# KiCad board testhologram v2.kicad_pcb (continued)
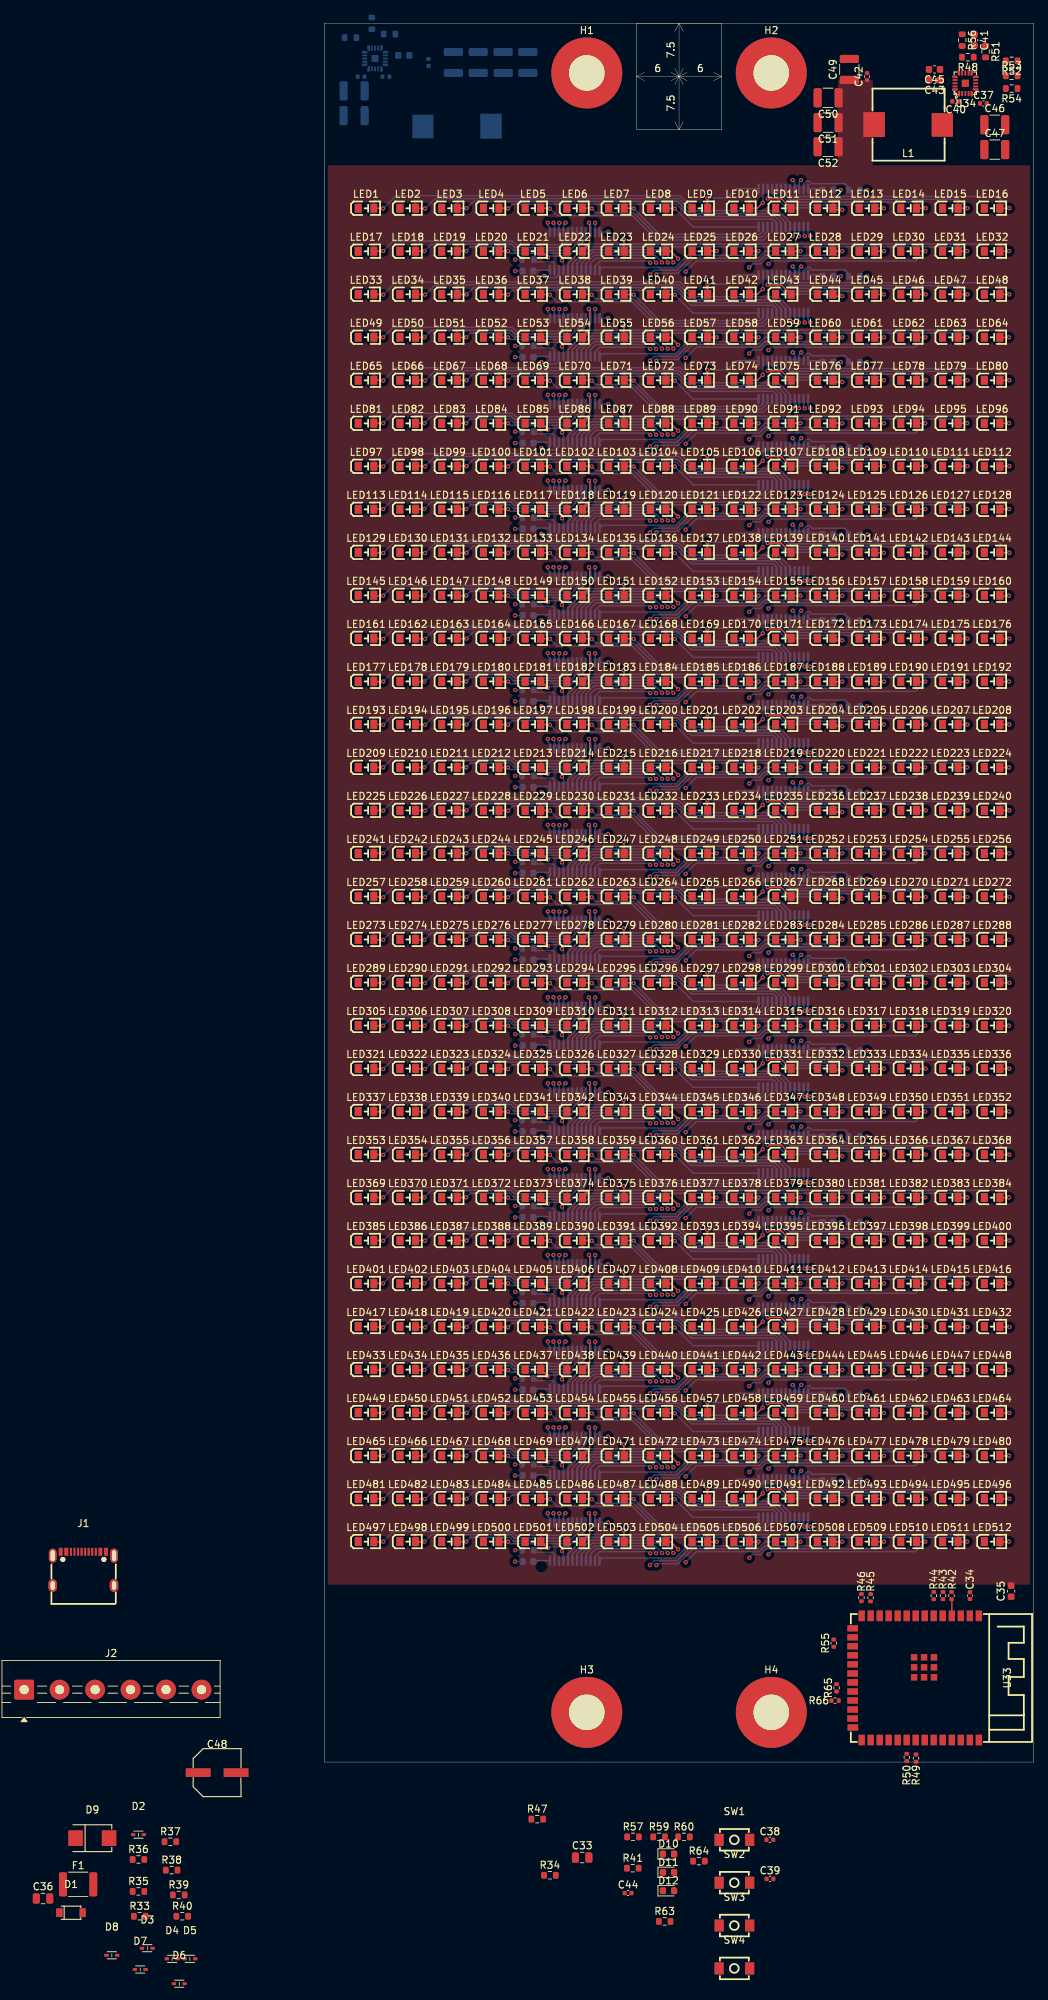
[diagram p0: board, top side]
## Nets (continued)
VDD: C1.1 C2.1 C3.1 C4.1 C5.1 C6.1 C7.1 C8.1 C9.1 C10.1 C11.1 C12.1 C13.1 C14.1 C15.1 C16.1 C17.1 C18.1 C19.1 C20.1 C21.1 C22.1 C23.1 C24.1 C25.1 C26.1 C27.1 C28.1 C29.1 C30.1 C31.1 C32.1
buck4v_EN: C33.2 C34.2 C35.2 C36.2 C37.2 C38.2 C39.2 C42.2 C43.2 C44.2 C45.2 C46.2 C47.2 C48.1 C49.2 C50.2 C51.2 C52.2 C53.2 C54.2 C55.2 C57.2 C60.2 C61.2 C62.2 C63.2 C64.2 D2.1 D3.1 D4.1 D5.1 D6.1 D7.1 D8.1 D9.1 D10.1 D11.1 D12.1 J2.2 R1.1 R2.1 R3.1 R4.1 R5.1 R6.1 R7.1 R8.1 R9.1 R10.1 R11.1 R12.1 R13.1 R14.1 R15.1 R16.1 R17.1 R18.1 R19.1 R20.1 R21.1 R22.1 R23.1 R24.1 R25.1 R26.1 R27.1 R28.1 R29.1 R30.1 R31.1 R32.1 R33.2 R35.2 R36.2 R40.1 R47.1 R51.2 R53.2 R55.2 R62.2 SW1.1 SW2.1 SW3.2 SW4.2 U1.1 U2.1 U3.1 U4.1 U5.1 U6.1 U7.1 U8.1 U9.1 U10.1 U11.1 U12.1 U13.1 U14.1 U15.1 U16.1 U17.1 U18.1 U19.1 U20.1 U21.1 U22.1 U23.1 U24.1 U25.1 U26.1 U27.1 U28.1 U29.1 U30.1 U31.1 U32.1 U33.1 U33.40 U33.41 U34.7 U34.8 U34.13 U34.18 U34.21 U36.7 U36.8 U36.12 U36.13 U36.18 U36.21
buck4v_PG: C44.1 R54.2 U33.18 U34.9
CLK: R49.1 U1.3 U2.3 U3.3 U4.3 U5.3 U6.3 U7.3 U8.3 U9.3 U10.3 U11.3 U12.3 U13.3 U14.3 U15.3 U16.3 U17.3 U18.3 U19.3 U20.3 U21.3 U22.3 U23.3 U24.3 U25.3 U26.3 U27.3 U28.3 U29.3 U30.3 U31.3 U32.3
ENC_A: D5.2 J2.6 R39.1 R42.2
ENC_B: D6.2 J2.5 R38.1 R43.2
ENC_Z: D7.2 J2.4 R37.1 R44.2
LE: R47.2 U1.4 U2.4 U3.4 U4.4 U5.4 U6.4 U7.4 U8.4 U9.4 U10.4 U11.4 U12.4 U13.4 U14.4 U15.4 U16.4 U17.4 U18.4 U19.4 U20.4 U21.4 U22.4 U23.4 U24.4 U25.4 U26.4 U27.4 U28.4 U29.4 U30.4 U31.4 U32.4 U33.34
MOSI: R50.1
NOT_OE: R41.2 U1.21 U2.21 U3.21 U4.21 U5.21 U6.21 U7.21 U8.21 U9.21 U10.21 U11.21 U12.21 U13.21 U14.21 U15.21 U16.21 U17.21 U18.21 U19.21 U20.21 U21.21 U22.21 U23.21 U24.21 U25.21 U26.21 U27.21 U28.21 U29.21 U30.21 U31.21 U32.21 U33.35
SDI: U1.2
SDO-01: U1.22 U2.2
SDO-02: U2.22 U3.2
SDO-03: U3.22 U4.2
SDO-04: U4.22 U5.2
SDO-05: U5.22 U6.2
SDO-06: U6.22 U7.2
SDO-07: U7.22 U8.2
SDO-08: U8.22 U9.2
SDO-09: U9.22 U10.2
SDO-10: U10.22 U11.2
SDO-11: U11.22 U12.2
SDO-12: U12.22 U13.2
SDO-13: U13.22 U14.2
SDO-14: U14.22 U15.2
SDO-15: U15.22 U16.2
SDO-16: U16.22 U17.2
SDO-17: U17.22 U18.2
SDO-18: U18.22 U19.2
SDO-19: U19.22 U20.2
SDO-20: U20.22 U21.2
SDO-21: U21.22 U22.2
SDO-22: U22.22 U23.2
SDO-23: U23.22 U24.2
SDO-24: U24.22 U25.2
SDO-25: U25.22 U26.2
SDO-26: U26.22 U27.2
SDO-27: U27.22 U28.2
SDO-28: U28.22 U29.2
SDO-29: U29.22 U30.2
SDO-30: U30.22 U31.2
SDO-31: U31.22 U32.2
SW_Boot: C39.1 SW2.2 U33.27
SW_Reset: C35.1 C38.1 R34.2 SW1.2 U33.3
USB_D+: D4.2 R46.2
USB_D-: D3.2 R45.2
Net-(C40-Pad2): C40.2 L1.1 U34.6 U34.19 U34.20
Net-(C41-Pad2): C41.2 R56.1
Net-(C56-Pad2): C56.2 L2.1 U36.6 U36.19 U36.20
Net-(D1-A): D1.2 D2.2
Net-(D8-A2): D8.2 J2.1 R40.2
Net-(D10-A): D10.2 R57.2
Net-(D11-A): D11.2 R59.2
Net-(D12-A): D12.2 R60.2
Net-(J1-CC1): R35.1
Net-(J1-CC2): R36.1
Net-(J1-SHIELD): R33.1
Net-(J2-Pin_3): F1.2 J2.3
Net-(LED1-K): LED1.1 U1.5
Net-(LED2-K): LED2.1 U1.6
Net-(LED3-K): LED3.1 U1.7
Net-(LED4-K): LED4.1 U1.8
Net-(LED5-K): LED5.1 U1.9
Net-(LED6-K): LED6.1 U1.10
Net-(LED7-K): LED7.1 U1.11
Net-(LED8-K): LED8.1 U1.12
Net-(LED9-K): LED9.1 U1.13
Net-(LED10-K): LED10.1 U1.14
Net-(LED11-K): LED11.1 U1.15
Net-(LED12-K): LED12.1 U1.16
Net-(LED13-K): LED13.1 U1.17
Net-(LED14-K): LED14.1 U1.18
Net-(LED15-K): LED15.1 U1.19
Net-(LED16-K): LED16.1 U1.20
Net-(LED17-K): LED17.1 U2.5
Net-(LED18-K): LED18.1 U2.6
Net-(LED19-K): LED19.1 U2.7
Net-(LED20-K): LED20.1 U2.8
Net-(LED21-K): LED21.1 U2.9
Net-(LED22-K): LED22.1 U2.10
Net-(LED23-K): LED23.1 U2.11
Net-(LED24-K): LED24.1 U2.12
Net-(LED25-K): LED25.1 U2.13
Net-(LED26-K): LED26.1 U2.14
Net-(LED27-K): LED27.1 U2.15
Net-(LED28-K): LED28.1 U2.16
Net-(LED29-K): LED29.1 U2.17
Net-(LED30-K): LED30.1 U2.18
Net-(LED31-K): LED31.1 U2.19
Net-(LED32-K): LED32.1 U2.20
Net-(LED33-K): LED33.1 U3.5
Net-(LED34-K): LED34.1 U3.6
Net-(LED35-K): LED35.1 U3.7
Net-(LED36-K): LED36.1 U3.8
Net-(LED37-K): LED37.1 U3.9
Net-(LED38-K): LED38.1 U3.10
Net-(LED39-K): LED39.1 U3.11
Net-(LED40-K): LED40.1 U3.12
Net-(LED41-K): LED41.1 U3.13
Net-(LED42-K): LED42.1 U3.14
Net-(LED43-K): LED43.1 U3.15
Net-(LED44-K): LED44.1 U3.16
Net-(LED45-K): LED45.1 U3.17
Net-(LED46-K): LED46.1 U3.18
Net-(LED47-K): LED47.1 U3.19
Net-(LED48-K): LED48.1 U3.20
Net-(LED49-K): LED49.1 U4.5
Net-(LED50-K): LED50.1 U4.6
Net-(LED51-K): LED51.1 U4.7
Net-(LED52-K): LED52.1 U4.8
Net-(LED53-K): LED53.1 U4.9
Net-(LED54-K): LED54.1 U4.10
Net-(LED55-K): LED55.1 U4.11
Net-(LED56-K): LED56.1 U4.12
Net-(LED57-K): LED57.1 U4.13
Net-(LED58-K): LED58.1 U4.14
Net-(LED59-K): LED59.1 U4.15
Net-(LED60-K): LED60.1 U4.16
Net-(LED61-K): LED61.1 U4.17
Net-(LED62-K): LED62.1 U4.18
Net-(LED63-K): LED63.1 U4.19
Net-(LED64-K): LED64.1 U4.20
Net-(LED65-K): LED65.1 U5.5
Net-(LED66-K): LED66.1 U5.6
Net-(LED67-K): LED67.1 U5.7
Net-(LED68-K): LED68.1 U5.8
Net-(LED69-K): LED69.1 U5.9
Net-(LED70-K): LED70.1 U5.10
Net-(LED71-K): LED71.1 U5.11
Net-(LED72-K): LED72.1 U5.12
Net-(LED73-K): LED73.1 U5.13
Net-(LED74-K): LED74.1 U5.14
Net-(LED75-K): LED75.1 U5.15
Net-(LED76-K): LED76.1 U5.16
Net-(LED77-K): LED77.1 U5.17
Net-(LED78-K): LED78.1 U5.18
Net-(LED79-K): LED79.1 U5.19
Net-(LED80-K): LED80.1 U5.20
Net-(LED81-K): LED81.1 U6.5
Net-(LED82-K): LED82.1 U6.6
Net-(LED83-K): LED83.1 U6.7
Net-(LED84-K): LED84.1 U6.8
Net-(LED85-K): LED85.1 U6.9
Net-(LED86-K): LED86.1 U6.10
Net-(LED87-K): LED87.1 U6.11
Net-(LED88-K): LED88.1 U6.12
Net-(LED89-K): LED89.1 U6.13
Net-(LED90-K): LED90.1 U6.14
Net-(LED91-K): LED91.1 U6.15
Net-(LED92-K): LED92.1 U6.16
Net-(LED93-K): LED93.1 U6.17
Net-(LED94-K): LED94.1 U6.18
Net-(LED95-K): LED95.1 U6.19
Net-(LED96-K): LED96.1 U6.20
Net-(LED97-K): LED97.1 U7.5
Net-(LED98-K): LED98.1 U7.6
Net-(LED99-K): LED99.1 U7.7
Net-(LED100-K): LED100.1 U7.8
Net-(LED101-K): LED101.1 U7.9
Net-(LED102-K): LED102.1 U7.10
Net-(LED103-K): LED103.1 U7.11
Net-(LED104-K): LED104.1 U7.12
Net-(LED105-K): LED105.1 U7.13
Net-(LED106-K): LED106.1 U7.14
Net-(LED107-K): LED107.1 U7.15
Net-(LED108-K): LED108.1 U7.16
Net-(LED109-K): LED109.1 U7.17
Net-(LED110-K): LED110.1 U7.18
Net-(LED111-K): LED111.1 U7.19
Net-(LED112-K): LED112.1 U7.20
Net-(LED113-K): LED113.1 U8.5
Net-(LED114-K): LED114.1 U8.6
Net-(LED115-K): LED115.1 U8.7
Net-(LED116-K): LED116.1 U8.8
Net-(LED117-K): LED117.1 U8.9
Net-(LED118-K): LED118.1 U8.10
Net-(LED119-K): LED119.1 U8.11
Net-(LED120-K): LED120.1 U8.12
Net-(LED121-K): LED121.1 U8.13
Net-(LED122-K): LED122.1 U8.14
Net-(LED123-K): LED123.1 U8.15
Net-(LED124-K): LED124.1 U8.16
Net-(LED125-K): LED125.1 U8.17
Net-(LED126-K): LED126.1 U8.18
Net-(LED127-K): LED127.1 U8.19
Net-(LED128-K): LED128.1 U8.20
Net-(LED129-K): LED129.1 U9.5
Net-(LED130-K): LED130.1 U9.6
Net-(LED131-K): LED131.1 U9.7
Net-(LED132-K): LED132.1 U9.8
Net-(LED133-K): LED133.1 U9.9
Net-(LED134-K): LED134.1 U9.10
Net-(LED135-K): LED135.1 U9.11
Net-(LED136-K): LED136.1 U9.12
Net-(LED137-K): LED137.1 U9.13
Net-(LED138-K): LED138.1 U9.14
Net-(LED139-K): LED139.1 U9.15
Net-(LED140-K): LED140.1 U9.16
Net-(LED141-K): LED141.1 U9.17
Net-(LED142-K): LED142.1 U9.18
Net-(LED143-K): LED143.1 U9.19
Net-(LED144-K): LED144.1 U9.20
Net-(LED145-K): LED145.1 U10.5
Net-(LED146-K): LED146.1 U10.6
Net-(LED147-K): LED147.1 U10.7
Net-(LED148-K): LED148.1 U10.8
Net-(LED149-K): LED149.1 U10.9
Net-(LED150-K): LED150.1 U10.10
Net-(LED151-K): LED151.1 U10.11
Net-(LED152-K): LED152.1 U10.12
Net-(LED153-K): LED153.1 U10.13
Net-(LED154-K): LED154.1 U10.14
Net-(LED155-K): LED155.1 U10.15
Net-(LED156-K): LED156.1 U10.16
Net-(LED157-K): LED157.1 U10.17
Net-(LED158-K): LED158.1 U10.18
Net-(LED159-K): LED159.1 U10.19
Net-(LED160-K): LED160.1 U10.20
Net-(LED161-K): LED161.1 U11.5
Net-(LED162-K): LED162.1 U11.6
Net-(LED163-K): LED163.1 U11.7
Net-(LED164-K): LED164.1 U11.8
Net-(LED165-K): LED165.1 U11.9
Net-(LED166-K): LED166.1 U11.10
Net-(LED167-K): LED167.1 U11.11
Net-(LED168-K): LED168.1 U11.12
Net-(LED169-K): LED169.1 U11.13
Net-(LED170-K): LED170.1 U11.14
Net-(LED171-K): LED171.1 U11.15
Net-(LED172-K): LED172.1 U11.16
Net-(LED173-K): LED173.1 U11.17
Net-(LED174-K): LED174.1 U11.18
Net-(LED175-K): LED175.1 U11.19
Net-(LED176-K): LED176.1 U11.20
Net-(LED177-K): LED177.1 U12.5
Net-(LED178-K): LED178.1 U12.6
Net-(LED179-K): LED179.1 U12.7
Net-(LED180-K): LED180.1 U12.8
Net-(LED181-K): LED181.1 U12.9
Net-(LED182-K): LED182.1 U12.10
Net-(LED183-K): LED183.1 U12.11
Net-(LED184-K): LED184.1 U12.12
Net-(LED185-K): LED185.1 U12.13
Net-(LED186-K): LED186.1 U12.14
Net-(LED187-K): LED187.1 U12.15
Net-(LED188-K): LED188.1 U12.16
Net-(LED189-K): LED189.1 U12.17
Net-(LED190-K): LED190.1 U12.18
Net-(LED191-K): LED191.1 U12.19
Net-(LED192-K): LED192.1 U12.20
Net-(LED193-K): LED193.1 U13.5
Net-(LED194-K): LED194.1 U13.6
Net-(LED195-K): LED195.1 U13.7
Net-(LED196-K): LED196.1 U13.8
Net-(LED197-K): LED197.1 U13.9
Net-(LED198-K): LED198.1 U13.10
Net-(LED199-K): LED199.1 U13.11
Net-(LED200-K): LED200.1 U13.12
Net-(LED201-K): LED201.1 U13.13
Net-(LED202-K): LED202.1 U13.14
Net-(LED203-K): LED203.1 U13.15
Net-(LED204-K): LED204.1 U13.16
Net-(LED205-K): LED205.1 U13.17
Net-(LED206-K): LED206.1 U13.18
Net-(LED207-K): LED207.1 U13.19
Net-(LED208-K): LED208.1 U13.20
Net-(LED209-K): LED209.1 U14.5
Net-(LED210-K): LED210.1 U14.6
Net-(LED211-K): LED211.1 U14.7
Net-(LED212-K): LED212.1 U14.8
Net-(LED213-K): LED213.1 U14.9
Net-(LED214-K): LED214.1 U14.10
Net-(LED215-K): LED215.1 U14.11
Net-(LED216-K): LED216.1 U14.12
Net-(LED217-K): LED217.1 U14.13
Net-(LED218-K): LED218.1 U14.14
Net-(LED219-K): LED219.1 U14.15
Net-(LED220-K): LED220.1 U14.16
Net-(LED221-K): LED221.1 U14.17
Net-(LED222-K): LED222.1 U14.18
Net-(LED223-K): LED223.1 U14.19
Net-(LED224-K): LED224.1 U14.20
Net-(LED225-K): LED225.1 U15.5
Net-(LED226-K): LED226.1 U15.6
Net-(LED227-K): LED227.1 U15.7
Net-(LED228-K): LED228.1 U15.8
Net-(LED229-K): LED229.1 U15.9
Net-(LED230-K): LED230.1 U15.10
Net-(LED231-K): LED231.1 U15.11
Net-(LED232-K): LED232.1 U15.12
Net-(LED233-K): LED233.1 U15.13
Net-(LED234-K): LED234.1 U15.14
Net-(LED235-K): LED235.1 U15.15
Net-(LED236-K): LED236.1 U15.16
Net-(LED237-K): LED237.1 U15.17
Net-(LED238-K): LED238.1 U15.18
Net-(LED239-K): LED239.1 U15.19
Net-(LED240-K): LED240.1 U15.20
Net-(LED241-K): LED241.1 U16.5
Net-(LED242-K): LED242.1 U16.6
Net-(LED243-K): LED243.1 U16.7
Net-(LED244-K): LED244.1 U16.8
Net-(LED245-K): LED245.1 U16.9
Net-(LED246-K): LED246.1 U16.10
Net-(LED247-K): LED247.1 U16.11
Net-(LED248-K): LED248.1 U16.12
Net-(LED249-K): LED249.1 U16.13
Net-(LED250-K): LED250.1 U16.14
Net-(LED251-K): LED251.1 U16.15
Net-(LED252-K): LED252.1 U16.16
Net-(LED253-K): LED253.1 U16.17
Net-(LED254-K): LED254.1 U16.18
Net-(LED255-K): LED255.1 U16.19
Net-(LED256-K): LED256.1 U16.20
Net-(LED257-K): LED257.1 U17.5
Net-(LED258-K): LED258.1 U17.6
Net-(LED259-K): LED259.1 U17.7
Net-(LED260-K): LED260.1 U17.8
Net-(LED261-K): LED261.1 U17.9
Net-(LED262-K): LED262.1 U17.10
Net-(LED263-K): LED263.1 U17.11
Net-(LED264-K): LED264.1 U17.12
Net-(LED265-K): LED265.1 U17.13
Net-(LED266-K): LED266.1 U17.14
Net-(LED267-K): LED267.1 U17.15
Net-(LED268-K): LED268.1 U17.16
Net-(LED269-K): LED269.1 U17.17
Net-(LED270-K): LED270.1 U17.18
Net-(LED271-K): LED271.1 U17.19
Net-(LED272-K): LED272.1 U17.20
Net-(LED273-K): LED273.1 U18.5
Net-(LED274-K): LED274.1 U18.6
Net-(LED275-K): LED275.1 U18.7
Net-(LED276-K): LED276.1 U18.8
Net-(LED277-K): LED277.1 U18.9
Net-(LED278-K): LED278.1 U18.10
Net-(LED279-K): LED279.1 U18.11
Net-(LED280-K): LED280.1 U18.12
Net-(LED281-K): LED281.1 U18.13
Net-(LED282-K): LED282.1 U18.14
Net-(LED283-K): LED283.1 U18.15
Net-(LED284-K): LED284.1 U18.16
Net-(LED285-K): LED285.1 U18.17
Net-(LED286-K): LED286.1 U18.18
Net-(LED287-K): LED287.1 U18.19
Net-(LED288-K): LED288.1 U18.20
Net-(LED289-K): LED289.1 U19.5
Net-(LED290-K): LED290.1 U19.6
Net-(LED291-K): LED291.1 U19.7
Net-(LED292-K): LED292.1 U19.8
Net-(LED293-K): LED293.1 U19.9
Net-(LED294-K): LED294.1 U19.10
Net-(LED295-K): LED295.1 U19.11
Net-(LED296-K): LED296.1 U19.12
Net-(LED297-K): LED297.1 U19.13
Net-(LED298-K): LED298.1 U19.14
Net-(LED299-K): LED299.1 U19.15
Net-(LED300-K): LED300.1 U19.16
Net-(LED301-K): LED301.1 U19.17
Net-(LED302-K): LED302.1 U19.18
Net-(LED303-K): LED303.1 U19.19
Net-(LED304-K): LED304.1 U19.20
Net-(LED305-K): LED305.1 U20.5
Net-(LED306-K): LED306.1 U20.6
Net-(LED307-K): LED307.1 U20.7
Net-(LED308-K): LED308.1 U20.8
Net-(LED309-K): LED309.1 U20.9
Net-(LED310-K): LED310.1 U20.10
Net-(LED311-K): LED311.1 U20.11
Net-(LED312-K): LED312.1 U20.12
Net-(LED313-K): LED313.1 U20.13
Net-(LED314-K): LED314.1 U20.14
Net-(LED315-K): LED315.1 U20.15
Net-(LED316-K): LED316.1 U20.16
Net-(LED317-K): LED317.1 U20.17
Net-(LED318-K): LED318.1 U20.18
Net-(LED319-K): LED319.1 U20.19
Net-(LED320-K): LED320.1 U20.20
Net-(LED321-K): LED321.1 U21.5
Net-(LED322-K): LED322.1 U21.6
Net-(LED323-K): LED323.1 U21.7
Net-(LED324-K): LED324.1 U21.8
Net-(LED325-K): LED325.1 U21.9
Net-(LED326-K): LED326.1 U21.10
Net-(LED327-K): LED327.1 U21.11
Net-(LED328-K): LED328.1 U21.12
Net-(LED329-K): LED329.1 U21.13
Net-(LED330-K): LED330.1 U21.14
Net-(LED331-K): LED331.1 U21.15
Net-(LED332-K): LED332.1 U21.16
Net-(LED333-K): LED333.1 U21.17
Net-(LED334-K): LED334.1 U21.18
Net-(LED335-K): LED335.1 U21.19
Net-(LED336-K): LED336.1 U21.20
Net-(LED337-K): LED337.1 U22.5
Net-(LED338-K): LED338.1 U22.6
Net-(LED339-K): LED339.1 U22.7
Net-(LED340-K): LED340.1 U22.8
Net-(LED341-K): LED341.1 U22.9
Net-(LED342-K): LED342.1 U22.10
Net-(LED343-K): LED343.1 U22.11
Net-(LED344-K): LED344.1 U22.12
Net-(LED345-K): LED345.1 U22.13
Net-(LED346-K): LED346.1 U22.14
Net-(LED347-K): LED347.1 U22.15
Net-(LED348-K): LED348.1 U22.16
Net-(LED349-K): LED349.1 U22.17
Net-(LED350-K): LED350.1 U22.18
Net-(LED351-K): LED351.1 U22.19
Net-(LED352-K): LED352.1 U22.20
Net-(LED353-K): LED353.1 U23.5
Net-(LED354-K): LED354.1 U23.6
Net-(LED355-K): LED355.1 U23.7
Net-(LED356-K): LED356.1 U23.8
Net-(LED357-K): LED357.1 U23.9
Net-(LED358-K): LED358.1 U23.10
Net-(LED359-K): LED359.1 U23.11
Net-(LED360-K): LED360.1 U23.12
Net-(LED361-K): LED361.1 U23.13
Net-(LED362-K): LED362.1 U23.14
Net-(LED363-K): LED363.1 U23.15
Net-(LED364-K): LED364.1 U23.16
Net-(LED365-K): LED365.1 U23.17
Net-(LED366-K): LED366.1 U23.18
Net-(LED367-K): LED367.1 U23.19
Net-(LED368-K): LED368.1 U23.20
Net-(LED369-K): LED369.1 U24.5
Net-(LED370-K): LED370.1 U24.6
Net-(LED371-K): LED371.1 U24.7
Net-(LED372-K): LED372.1 U24.8
Net-(LED373-K): LED373.1 U24.9
Net-(LED374-K): LED374.1 U24.10
Net-(LED375-K): LED375.1 U24.11
Net-(LED376-K): LED376.1 U24.12
Net-(LED377-K): LED377.1 U24.13
Net-(LED378-K): LED378.1 U24.14
Net-(LED379-K): LED379.1 U24.15
Net-(LED380-K): LED380.1 U24.16
Net-(LED381-K): LED381.1 U24.17
Net-(LED382-K): LED382.1 U24.18
Net-(LED383-K): LED383.1 U24.19
Net-(LED384-K): LED384.1 U24.20
Net-(LED385-K): LED385.1 U25.5
Net-(LED386-K): LED386.1 U25.6
Net-(LED387-K): LED387.1 U25.7
Net-(LED388-K): LED388.1 U25.8
Net-(LED389-K): LED389.1 U25.9
Net-(LED390-K): LED390.1 U25.10
Net-(LED391-K): LED391.1 U25.11
Net-(LED392-K): LED392.1 U25.12
Net-(LED393-K): LED393.1 U25.13
Net-(LED394-K): LED394.1 U25.14
Net-(LED395-K): LED395.1 U25.15
Net-(LED396-K): LED396.1 U25.16
Net-(LED397-K): LED397.1 U25.17
Net-(LED398-K): LED398.1 U25.18
Net-(LED399-K): LED399.1 U25.19
Net-(LED400-K): LED400.1 U25.20
Net-(LED401-K): LED401.1 U26.5
Net-(LED402-K): LED402.1 U26.6
Net-(LED403-K): LED403.1 U26.7
Net-(LED404-K): LED404.1 U26.8
Net-(LED405-K): LED405.1 U26.9
Net-(LED406-K): LED406.1 U26.10
Net-(LED407-K): LED407.1 U26.11
Net-(LED408-K): LED408.1 U26.12
Net-(LED409-K): LED409.1 U26.13
Net-(LED410-K): LED410.1 U26.14
Net-(LED411-K): LED411.1 U26.15
Net-(LED412-K): LED412.1 U26.16
Net-(LED413-K): LED413.1 U26.17
Net-(LED414-K): LED414.1 U26.18
Net-(LED415-K): LED415.1 U26.19
Net-(LED416-K): LED416.1 U26.20
Net-(LED417-K): LED417.1 U27.5
Net-(LED418-K): LED418.1 U27.6
Net-(LED419-K): LED419.1 U27.7
Net-(LED420-K): LED420.1 U27.8
Net-(LED421-K): LED421.1 U27.9
Net-(LED422-K): LED422.1 U27.10
Net-(LED423-K): LED423.1 U27.11
Net-(LED424-K): LED424.1 U27.12
Net-(LED425-K): LED425.1 U27.13
Net-(LED426-K): LED426.1 U27.14
Net-(LED427-K): LED427.1 U27.15
Net-(LED428-K): LED428.1 U27.16
Net-(LED429-K): LED429.1 U27.17
Net-(LED430-K): LED430.1 U27.18
Net-(LED431-K): LED431.1 U27.19
Net-(LED432-K): LED432.1 U27.20
Net-(LED433-K): LED433.1 U28.5
Net-(LED434-K): LED434.1 U28.6
Net-(LED435-K): LED435.1 U28.7
Net-(LED436-K): LED436.1 U28.8
Net-(LED437-K): LED437.1 U28.9
Net-(LED438-K): LED438.1 U28.10
Net-(LED439-K): LED439.1 U28.11
Net-(LED440-K): LED440.1 U28.12
Net-(LED441-K): LED441.1 U28.13
Net-(LED442-K): LED442.1 U28.14
Net-(LED443-K): LED443.1 U28.15
Net-(LED444-K): LED444.1 U28.16
Net-(LED445-K): LED445.1 U28.17
Net-(LED446-K): LED446.1 U28.18
Net-(LED447-K): LED447.1 U28.19
Net-(LED448-K): LED448.1 U28.20
Net-(LED449-K): LED449.1 U29.5
Net-(LED450-K): LED450.1 U29.6
Net-(LED451-K): LED451.1 U29.7
Net-(LED452-K): LED452.1 U29.8
Net-(LED453-K): LED453.1 U29.9
Net-(LED454-K): LED454.1 U29.10
Net-(LED455-K): LED455.1 U29.11
Net-(LED456-K): LED456.1 U29.12
Net-(LED457-K): LED457.1 U29.13
Net-(LED458-K): LED458.1 U29.14
Net-(LED459-K): LED459.1 U29.15
Net-(LED460-K): LED460.1 U29.16
Net-(LED461-K): LED461.1 U29.17
Net-(LED462-K): LED462.1 U29.18
Net-(LED463-K): LED463.1 U29.19
Net-(LED464-K): LED464.1 U29.20
Net-(LED465-K): LED465.1 U30.5
Net-(LED466-K): LED466.1 U30.6
Net-(LED467-K): LED467.1 U30.7
Net-(LED468-K): LED468.1 U30.8
Net-(LED469-K): LED469.1 U30.9
Net-(LED470-K): LED470.1 U30.10
Net-(LED471-K): LED471.1 U30.11
Net-(LED472-K): LED472.1 U30.12
Net-(LED473-K): LED473.1 U30.13
Net-(LED474-K): LED474.1 U30.14
Net-(LED475-K): LED475.1 U30.15
Net-(LED476-K): LED476.1 U30.16
Net-(LED477-K): LED477.1 U30.17
Net-(LED478-K): LED478.1 U30.18
Net-(LED479-K): LED479.1 U30.19
Net-(LED480-K): LED480.1 U30.20
Net-(LED481-K): LED481.1 U31.5
Net-(LED482-K): LED482.1 U31.6
Net-(LED483-K): LED483.1 U31.7
Net-(LED484-K): LED484.1 U31.8
Net-(LED485-K): LED485.1 U31.9
Net-(LED486-K): LED486.1 U31.10
Net-(LED487-K): LED487.1 U31.11
Net-(LED488-K): LED488.1 U31.12
Net-(LED489-K): LED489.1 U31.13
Net-(LED490-K): LED490.1 U31.14
Net-(LED491-K): LED491.1 U31.15
Net-(LED492-K): LED492.1 U31.16
Net-(LED493-K): LED493.1 U31.17
Net-(LED494-K): LED494.1 U31.18
Net-(LED495-K): LED495.1 U31.19
Net-(LED496-K): LED496.1 U31.20
Net-(LED497-K): LED497.1 U32.5
Net-(LED498-K): LED498.1 U32.6
Net-(LED499-K): LED499.1 U32.7
Net-(LED500-K): LED500.1 U32.8
Net-(LED501-K): LED501.1 U32.9
Net-(LED502-K): LED502.1 U32.10
Net-(LED503-K): LED503.1 U32.11
Net-(LED504-K): LED504.1 U32.12
Net-(LED505-K): LED505.1 U32.13
Net-(LED506-K): LED506.1 U32.14
Net-(LED507-K): LED507.1 U32.15
Net-(LED508-K): LED508.1 U32.16
Net-(LED509-K): LED509.1 U32.17
Net-(LED510-K): LED510.1 U32.18
Net-(LED511-K): LED511.1 U32.19
Net-(LED512-K): LED512.1 U32.20
Net-(SW3-A): R63.1 R66.2 SW3.1
Net-(SW4-A): R64.2 R65.1 SW4.1
Net-(U1-R-EXT): R1.2 U1.23
Net-(U1-VDD): C1.2 U1.24
Net-(U2-R-EXT): R2.2 U2.23
Net-(U2-VDD): C2.2 U2.24
Net-(U3-R-EXT): R3.2 U3.23
Net-(U3-VDD): C3.2 U3.24
Net-(U4-R-EXT): R4.2 U4.23
Net-(U4-VDD): C4.2 U4.24
Net-(U5-R-EXT): R5.2 U5.23
Net-(U5-VDD): C5.2 U5.24
Net-(U6-R-EXT): R6.2 U6.23
Net-(U6-VDD): C6.2 U6.24
Net-(U7-R-EXT): R7.2 U7.23
Net-(U7-VDD): C7.2 U7.24
Net-(U8-R-EXT): R8.2 U8.23
Net-(U8-VDD): C8.2 U8.24
Net-(U9-R-EXT): R9.2 U9.23
Net-(U9-VDD): C9.2 U9.24
Net-(U10-R-EXT): R10.2 U10.23
Net-(U10-VDD): C10.2 U10.24
Net-(U11-R-EXT): R11.2 U11.23
Net-(U11-VDD): C11.2 U11.24
Net-(U12-R-EXT): R12.2 U12.23
Net-(U12-VDD): C12.2 U12.24
Net-(U13-R-EXT): R13.2 U13.23
Net-(U13-VDD): C13.2 U13.24
Net-(U14-R-EXT): R14.2 U14.23
Net-(U14-VDD): C14.2 U14.24
Net-(U15-R-EXT): R15.2 U15.23
Net-(U15-VDD): C15.2 U15.24
Net-(U16-R-EXT): R16.2 U16.23
Net-(U16-VDD): C16.2 U16.24
Net-(U17-R-EXT): R17.2 U17.23
Net-(U17-VDD): C17.2 U17.24
Net-(U18-R-EXT): R18.2 U18.23
Net-(U18-VDD): C18.2 U18.24
Net-(U19-R-EXT): R19.2 U19.23
Net-(U19-VDD): C19.2 U19.24
Net-(U20-R-EXT): R20.2 U20.23
Net-(U20-VDD): C20.2 U20.24
Net-(U21-R-EXT): R21.2 U21.23
Net-(U21-VDD): C21.2 U21.24
Net-(U22-R-EXT): R22.2 U22.23
Net-(U22-VDD): C22.2 U22.24
Net-(U23-R-EXT): R23.2 U23.23
Net-(U23-VDD): C23.2 U23.24
Net-(U24-R-EXT): R24.2 U24.23
Net-(U24-VDD): C24.2 U24.24
Net-(U25-R-EXT): R25.2 U25.23
Net-(U25-VDD): C25.2 U25.24
Net-(U26-R-EXT): R26.2 U26.23
Net-(U26-VDD): C26.2 U26.24
Net-(U27-R-EXT): R27.2 U27.23
Net-(U27-VDD): C27.2 U27.24
Net-(U28-R-EXT): R28.2 U28.23
Net-(U28-VDD): C28.2 U28.24
Net-(U29-R-EXT): R29.2 U29.23
Net-(U29-VDD): C29.2 U29.24
Net-(U30-R-EXT): R30.2 U30.23
Net-(U30-VDD): C30.2 U30.24
Net-(U31-R-EXT): R31.2 U31.23
Net-(U31-VDD): C31.2 U31.24
Net-(U32-R-EXT): R32.2 U32.23
Net-(U32-VDD): C32.2 U32.24
Net-(U33-IO4): R42.1 U33.4
Net-(U33-IO5): R43.1 U33.5
Net-(U33-IO6): R44.1 U33.6
Net-(U33-IO9): R55.1 U33.17
Net-(U33-IO11): R57.1 U33.19
Net-(U33-IO12): R59.1 U33.20
Net-(U33-IO13): R60.1 U33.21
Net-(U33-IO14): R65.2 U33.22
Net-(U33-IO19): R45.1 U33.13
Net-(U33-IO20): R46.1 U33.14
Net-(U33-IO21): R66.1 U33.23
Net-(U33-IO39): R50.2 U33.32
Net-(U33-IO40): R49.2 U33.33
Net-(U34-BS): C40.1 U34.1
Net-(U34-EN): R53.1 U34.11
Net-(U34-FB): R48.2 R51.1 R56.2 U34.14
Net-(U34-MODE): R52.2 U34.12
Net-(U34-VCC): C43.1 U34.17
Net-(U36-BS): C56.1 U36.1
Net-(U36-EN): R58.2 U36.11
Net-(U36-FB): R61.2 R62.1 U36.14
Net-(U36-VCC): C57.1 U36.17

Pads without a net: H1 1; H2 1; H3 1; H4 1; J1 1 2 3 4 5 6 7 8 9 10 11 12 13 14; U32 22; U33 7 8 9 10 11 12 15 16 24 25 26 28 29 30 31 36 37 38 39; U34 10 16; U36 9 10 15 16

## Via types
v1: diameter 0.6, hole 0.3, Top to Bottom, 959 vias

## Routing (per net, layer and track width the routed paths; a pad name or vN(x,y) marks a point on that pad's centre or on a via; arc(x,y) is an arc through that point)
VDD: length 32.8
  Bottom w0.2: v1(72.8,88.15) C23.1 ; C22.1 v1(26.9,88.85) ; v1(72.8,197.25) C5.1 ; v1(72.8,160.85) C11.1 ; C14.1 v1(26.9,137.35) ; v1(72.8,185.15) C7.1 ; v1(72.8,124.45) C17.1 ; v1(72.8,39.65) C31.1 ; C30.1 v1(26.9,40.35) ; C26.1 v1(26.9,64.65) ; v1(72.8,136.65) C15.1 ; v1(72.8,100.25) C21.1 ; C18.1 v1(26.9,113.05) ; C6.1 v1(26.9,185.85) ; C16.1 v1(26.9,125.25) ; C28.1 v1(26.9,52.45) ; v1(72.8,51.75) C29.1 ; v1(72.8,76.05) C25.1 ; C12.1 v1(26.9,149.45) ; C24.1 v1(26.9,76.75) ; C2.1 v1(26.9,210.1) ; v1(72.8,221.5) C1.1 ; v1(72.8,209.35) C3.1 ; v1(72.8,63.85) C27.1 ; v1(72.8,112.35) C19.1 ; v1(72.8,172.95) C9.1 ; C4.1 v1(26.9,197.95) ; C20.1 v1(26.9,100.95) ; C8.1 v1(26.9,173.75) ; v1(72.8,148.75) C13.1 ; C10.1 v1(26.9,161.55) ; C32.1 v1(26.9,28.25)
buck4v_EN: length 77.2
  Bottom w0.2: R26.1 v1(26.9,66.25) ; v1(31.5,156.25) 31.5,155.85 31.81,155.54 U12.1 ; U30.1 31.81,46.44 31.5,46.75 v1(31.5,47.15) ; R10.1 v1(26.9,163.15) ; v1(68.5,202.85) 68.5,202.9 68.19,203.21 U3.1 ; U20.1 31.81,107.04 31.5,107.35 v1(31.5,107.75) ; R25.1 v1(76.5,76.05) ; U21.1 68.19,94.11 68.5,93.8 v1(68.5,93.75) ; U19.1 68.19,106.21 68.5,105.9 v1(68.5,105.85) ; v1(68.5,117.95) 68.5,118 68.19,118.31 U17.1 ; v1(68.5,130.15) 68.5,130.2 68.19,130.51 U15.1 ; U11.1 68.19,154.71 68.5,154.4 v1(68.5,154.35) ; U22.1 31.81,94.94 31.5,95.25 v1(31.5,95.65) ; R1.1 v1(76.5,221.5) ; U6.1 31.81,191.94 31.5,192.25 v1(31.5,192.65) ; U10.1 31.81,167.64 31.5,167.95 v1(31.5,168.35) ; U31.1 68.19,33.51 68.5,33.2 v1(68.5,33.15) ; v1(31.5,216.9) 31.5,216.5 31.81,216.19 U2.1 ; U16.1 31.81,131.34 31.5,131.65 v1(31.5,132.05) ; v1(68.5,142.25) 68.5,142.3 68.19,142.61 U13.1 ; R9.1 v1(76.5,172.95) ; U32.1 31.81,34.34 31.5,34.65 v1(31.5,35.05) ; v1(68.5,166.45) 68.5,166.5 68.19,166.81 U9.1 ; R23.1 v1(76.5,88.15) ; R12.1 v1(26.9,151.05) ; U4.1 31.81,204.04 31.5,204.35 v1(31.5,204.75) ; R29.1 v1(76.5,51.75) ; U26.1 31.81,70.74 31.5,71.05 v1(31.5,71.45) ; R32.1 v1(26.9,29.85) ; U7.1 68.19,179.01 68.5,178.7 v1(68.5,178.65) ; v1(68.5,190.75) 68.5,190.8 68.19,191.11 U5.1 ; R15.1 v1(76.5,136.65) ; R16.1 v1(26.9,126.85) ; v1(68.5,215) 68.5,215.05 68.19,215.36 U1.1 ; R8.1 v1(26.9,175.35) ; v1(31.5,144.15) 31.5,143.75 31.81,143.44 U14.1 ; R3.1 v1(76.5,209.35) ; R4.1 v1(26.9,199.55) ; v1(31.5,119.85) 31.5,119.45 31.81,119.14 U18.1 ; U27.1 68.19,57.71 68.5,57.4 v1(68.5,57.35) ; R5.1 v1(76.5,197.25) ; v1(68.5,81.65) 68.5,81.7 68.19,82.01 U23.1 ; R20.1 v1(26.9,102.55) ; R17.1 v1(76.5,124.45) ; R22.1 v1(26.9,90.45) ; R31.1 v1(76.5,39.65) ; R28.1 v1(26.9,54.05) ; R27.1 v1(76.5,63.85) ; v1(68.5,69.55) 68.5,69.6 68.19,69.91 U25.1 ; R21.1 v1(76.5,100.25) ; R14.1 v1(26.9,138.95) ; U24.1 31.81,82.84 31.5,83.15 v1(31.5,83.55) ; v1(31.5,180.55) 31.5,180.15 31.81,179.84 U8.1 ; R13.1 v1(76.5,148.75) ; R24.1 v1(26.9,78.35) ; U29.1 68.19,45.61 68.5,45.3 v1(68.5,45.25) ; R30.1 v1(26.9,41.95) ; R2.1 v1(26.9,211.7) ; R6.1 v1(26.9,187.45) ; v1(31.5,59.25) 31.5,58.85 31.81,58.54 U28.1 ; R19.1 v1(76.5,112.35) ; R7.1 v1(76.5,185.15) ; R11.1 v1(76.5,160.85) ; R18.1 v1(26.9,114.65)
CLK: length 42
  Bottom w0.2: U10.3 33.08,168.28 v1(33.12,168.33) ; v1(66.9,81.65) 66.92,81.67 U23.3 ; U26.3 33.08,71.38 v1(33.12,71.43) ; v1(33.12,47.13) 33.08,47.08 U30.3 ; v1(66.9,178.65) 66.92,178.67 U7.3 ; v1(33.12,132.03) 33.08,131.98 U16.3 ; v1(33.12,204.73) 33.08,204.68 U4.3 ; U6.3 33.08,192.58 v1(33.12,192.63) ; U25.3 66.92,69.57 v1(66.9,69.55) ; v1(66.9,117.95) 66.92,117.97 U17.3 ; U13.3 66.92,142.27 v1(66.9,142.25) ; U22.3 33.08,95.58 v1(33.12,95.63) ; U19.3 66.92,105.87 v1(66.9,105.85) ; v1(33.12,59.23) 33.08,59.18 U28.3 ; U2.3 33.08,216.83 v1(33.12,216.88) ; U9.3 66.92,166.47 v1(66.9,166.45) ; U18.3 33.08,119.78 v1(33.12,119.83) ; v1(33.12,180.53) 33.08,180.48 U8.3 ; U31.3 66.92,33.17 v1(66.9,33.15) ; U1.3 66.92,215.02 v1(66.9,215) ; U12.3 33.08,156.18 v1(33.12,156.23) ; v1(33.12,35.03) 33.08,34.98 U32.3 ; v1(33.12,107.73) 33.08,107.68 U20.3 ; v1(66.9,45.25) 66.92,45.27 U29.3 ; U15.3 66.92,130.17 v1(66.9,130.15) ; U3.3 66.92,202.87 v1(66.9,202.85) ; U24.3 33.08,83.48 v1(33.12,83.53) ; v1(33.12,144.13) 33.08,144.08 U14.3 ; v1(66.9,190.75) 66.92,190.77 U5.3 ; v1(66.9,93.75) 66.92,93.77 U21.3 ; v1(66.9,154.35) 66.92,154.37 U11.3 ; U27.3 66.92,57.37 v1(66.9,57.35)